# KiCad board panel.kicad_pcb (continued)
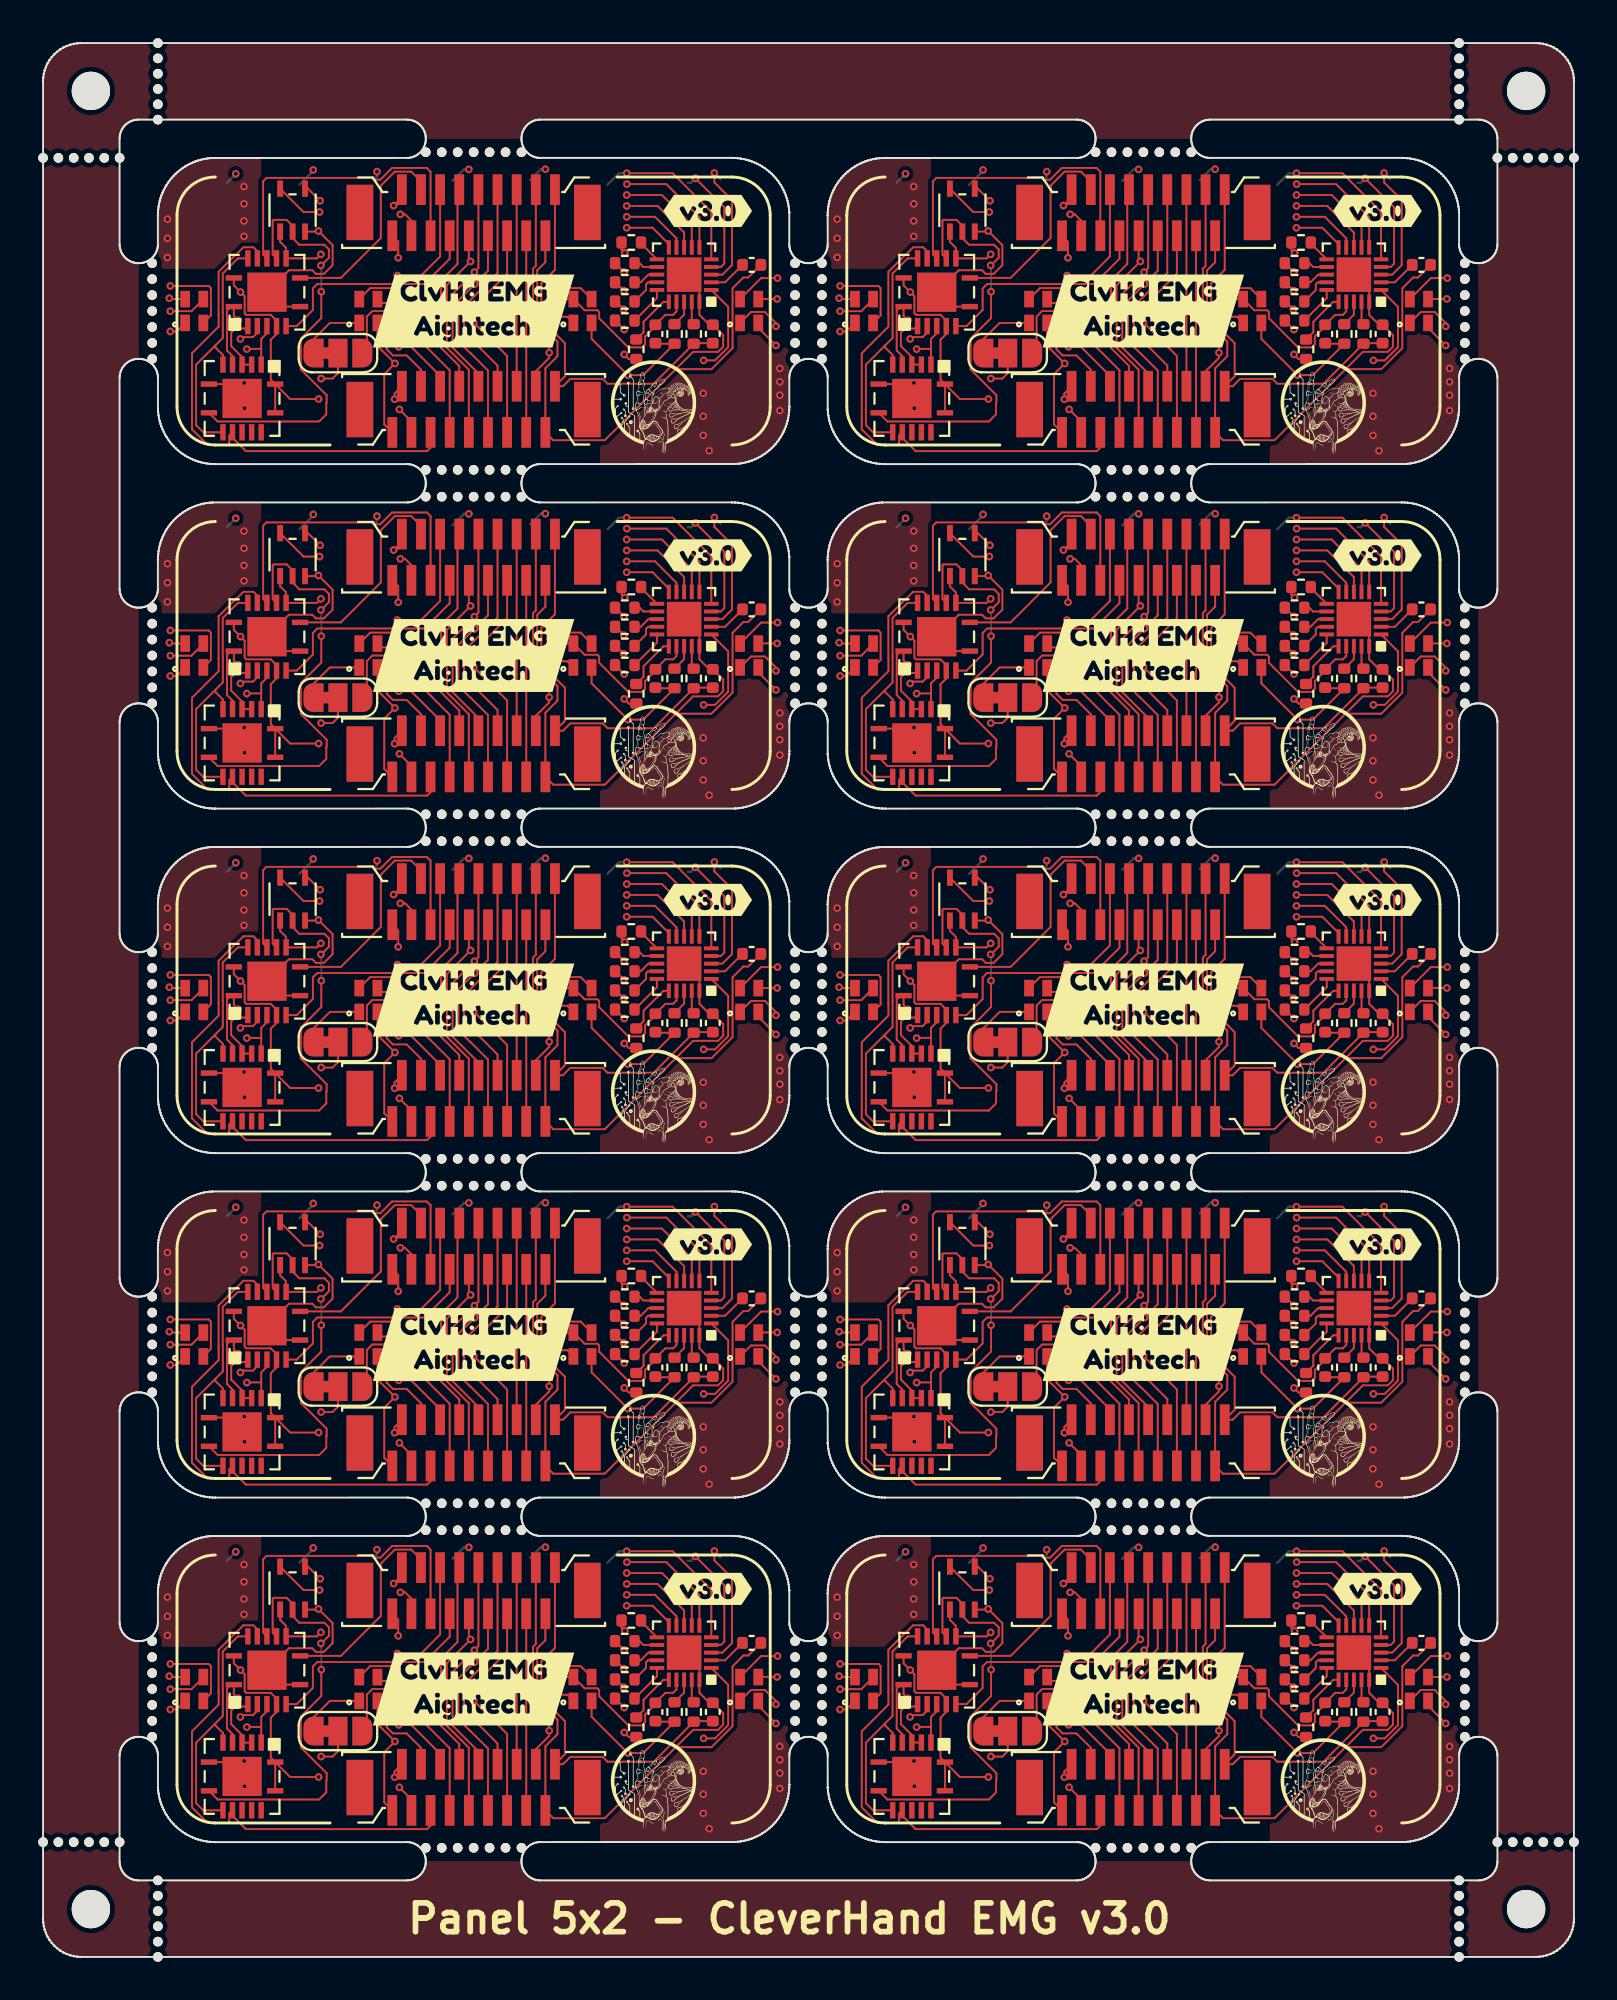
[diagram p0: board, top side]
## Routing (per net, layer and track width the routed paths; a pad name or vN(x,y) marks a point on that pad's centre or on a via; arc(x,y) is an arc through that point) (continued)
Board_0-/A2: length 26.6
  Front w0.1: J1#6.5 20.25,78.86 20.07,78.68 10.6,78.68 9.9,79.38 U4#4.10 9.73,79.49 9.73,79.05 9.68,79 8.6,79 7.78,79.82 7.78,83.79 9.18,85.19 9.18,85.85 9.17,85.85 9.17,88.05 10.09,88.97 10.11,88.97 10.47,89.33 10.99,89.33 11.2,89.12 U2.12
Board_0-/A3: length 16.2
  Front w0.1: v1(18.63,85.28) 18.25,85.28 18.21,85.24 18.21,85.24 17.96,84.99 17.96,84 18.28,83.68 19,83.68 19.75,82.93 J1#6.4 ; v1(14.52,88.96) 14.31,88.75 U2.9 12.7,89.3 12.39,89.61 12.39,90.01
  In2.Cu w0.1: v1(18.63,85.28) 18.58,85.23 15.03,85.23 14.02,86.24 14.02,88.47 14.51,88.96 v1(14.52,88.96)
Board_0-/carry0: length 3.4
  Front w0.1: U2.2 10.58,85.09 10.05,85.09 9.83,84.87 9.83,84.17 10.4,83.6 U4#4.4 U4#4.3
Board_0-/carry1: length 12.9
  Front w0.1: 9,84.2 9.39,84.59 9.39,85.94 9.39,85.94 9.39,87.96 10.18,88.75 U2.13 ; 9,84.2 9,84.1 9.4,83.7 U4#4.6 ; 9,84.2 8,83.2 8,80.03 8.37,79.66 U4#4.9
Board_0-/carry2: length 22.5
  Front w0.1: U2.10 12,88.95 12,90.71 12.05,90.76 12.73,90.76 13.04,90.45 13.04,90.01 ; U4#4.8 9.12,80.23 14.43,80.23 14.8,80.6 14.8,81.21 14.82,81.23 14.82,81.6 13.47,82.95 13.47,84.56 14.54,85.63 v1(14.54,87.01) ; v1(14.52,88.38) 14.53,88.38 14.94,88.79 14.94,89.22 14.7,89.46 13.39,89.46 13.04,89.81 U5#2.2
  Back w0.1: v1(14.54,87.01) 14.54,88.36 v1(14.52,88.38)
Board_0-/CH0: length 6.9
  Front w0.1: U1.3 35.5,87.9 36,88.4 36,91.8 35.08,92.72 v1(35.08,93.21)
  Back w0.127: v1(35.08,93.21) 35.4,92.89
Board_0-/CH1: length 6.3
  Front w0.1: v1(34.09,92.93) 35.6,91.42 35.6,88.47 35.43,88.3 U1.4
  Back w0.127: 33.7,92.7 33.86,92.7 v1(34.09,92.93)
Board_0-/CH2: length 9
  Front w0.1: U1.5 34.92,91.18 32.9,93.2 v1(30.5,93.2)
  Back w0.127: 29.5,92.6 30.1,93.2 v1(30.5,93.2)
Board_0-/CH3: length 11.7
  Front w0.1: U1.6 34.3,90.9 32.57,92.63 v1(30.51,92.63)
  In2.Cu w0.1: v1(30.51,92.63) 30.48,92.6 27.06,92.6 v1(26.25,93.41)
  Back w0.127: 25.45,92.85 26.01,93.41 v1(26.25,93.41)
Board_0-/CH4: length 15.2
  Front w0.1: v1(30.5,92.06) 32.34,92.06 33.9,90.5 U1.7
  In2.Cu w0.1: v1(30.5,92.06) 30.44,92 26.67,92 25.21,93.46 22.31,93.46 v1(22.25,93.4)
  Back w0.127: v1(22.25,93.4) 22,93.4 21.4,92.8
Board_0-/CH5: length 18.6
  Front w0.1: v1(30.5,91.49) 32.11,91.49 33.5,90.1 U1.8
  In2.Cu w0.1: v1(30.5,91.49) 30.41,91.4 26.8,91.4 25.24,92.96 17.77,92.96 v1(17.45,93.28)
  Back w0.127: 17.39,92.97 17.45,93.03 v1(17.45,93.28)
Board_0-/CH6: length 22.1
  Front w0.1: v1(30.5,90.92) 31.98,90.92 33.1,89.8 U1.9
  In2.Cu w0.1: v1(30.5,90.92) 30.38,90.8 26.6,90.8 24.66,92.74 14.75,92.74 v1(14.12,93.37)
  Back w0.127: 13.4,92.6 14.12,93.32 v1(14.12,93.37)
Board_0-/CH7: length 25.2
  Front w0.1: v1(30.5,90.35) 31.85,90.35 32.7,89.5 U1.10
  In2.Cu w0.1: v1(30.5,90.35) 30.35,90.2 26.25,90.2 23.92,92.53 14.17,92.53 13.4,93.3 10.2,93.3 v1(10.07,93.17)
  Back w0.127: v1(10.07,93.17) 9.6,92.7
Board_0-/CH_REF: length 24.4
  Front w0.1: J1#6.16 25.75,82.85 26.45,83.55 v1(26.45,83.82) 26.45,84.52 25.61,85.37 25.61,88.21 25.75,88.36 J2#7.3 ; U1.1 35.8,86.22 35.8,84.11 35.11,83.42 v1(34.52,83.42)
  In2.Cu w0.1: v1(26.45,83.82) 27.19,83.08 34.18,83.08 v1(34.52,83.42)
Board_0-/cs_adc: length 19
  Front w0.1: R6#10.2 30.23,89.2 v1(30.4,89.03) ; v1(14.48,91.76) 13.85,92.39 U5#2.4
  In2.Cu w0.1: v1(30.4,89.03) 30.05,89.38 21.15,89.38 18.6,91.93 18.15,91.93 17.82,91.6 14.64,91.6 v1(14.48,91.76)
Board_0-/IRQ: length 20.4
  Front w0.1: J2#7.6 24.25,87.95 22.5,86.2 v1(22.5,85.4) 24.25,83.65 J1#6.13 ; v1(30.37,85.03) 29.9,85.5 R2#7.2
  In2.Cu w0.1: v1(30.37,85.03) 30.2,85.2 22.7,85.2 v1(22.5,85.4)
Board_0-/MCLK: length 20.6
  Front w0.1: v1(30.37,83.73) 30.61,83.49 R1#10.2 ; J1#6.12 23.75,83.15 v1(22.5,84.4) 22,84.9 22,86.24 23.75,87.99 J2#7.7
  In2.Cu w0.1: v1(30.37,83.73) 29.7,84.4 v1(22.5,84.4)
Board_0-/NEO_IN: length 17.9
  Front w0.1: v1(18.62,80.86) 19.25,80.23 J1#6.3 ; 7.42,85.38 6.98,84.93 v1(6.65,84.93)
  In2.Cu w0.1: v1(6.65,84.93) 7.22,84.93 13.43,78.72 16.48,78.72 v1(18.62,80.86)
Board_0-/NEO_OUT: length 34.6
  Front w0.1: v1(18.67,91.05) 18.92,91.05 19.25,90.72 J2#7.16 ; JP1#7.3 16.92,84.01 16.92,85.71 17.21,86 18.03,86 18.19,85.84 v1(18.41,85.84) ; v1(38.36,86.63) 37.38,86.63 D4#4.3
  In2.Cu w0.1: v1(18.41,85.84) 17.96,86.29 17.96,87.27 18.1,87.41 19.1,87.41 19.49,87.8 19.49,90.23 v1(18.67,91.05) 20.53,89.19 28.54,89.19 29.16,88.57 30.97,88.57 32.89,86.65 38.34,86.65 v1(38.36,86.63)
Board_0-/S0: length 11.9
  Front w0.1: U2.6 13.26,85.21 14.1,86.05 14.1,87.18 14.33,87.41 19.93,87.41 21.25,88.73 J2#7.12
Board_0-/S1: length 19.1
  Front w0.1: v1(18.51,87.85) 19.75,87.85 20.75,88.85 J2#7.13 ; v1(10.31,84.54) 10.41,84.64 10.97,84.64 11.2,84.87 U2.3
  In2.Cu w0.1: v1(18.51,87.85) 16.97,89.39 14.1,89.39 11.15,86.44 11.15,85.1 10.59,84.54 v1(10.31,84.54)
Board_0-/S2: length 16.7
  Front w0.1: J2#7.14 20.25,93.28 20.05,93.47 18.24,93.47 17.62,92.86 17.28,92.86 17.18,92.95 11.67,92.95 11.5,92.78 11.5,88.95 U2.11
Board_0-/S3: length 10.9
  Front w0.1: J2#7.15 19.75,92.77 19.24,93.28 18.38,93.28 17.65,92.55 17.65,89.82 15.56,87.73 U2.8
Board_0-/SCK: length 20.2
  Front w0.1: v1(30.36,88.04) 29.9,88.5 R5#3.2 ; J2#7.10 22.25,88.68 v1(22.34,88.59) 21.1,87.35 21.1,84.08 22.25,82.93 J1#6.9
  In2.Cu w0.1: v1(22.34,88.59) 22.37,88.56 28.34,88.56 28.86,88.04 v1(30.36,88.04)
Board_0-/SDI: length 20.2
  Front w0.1: J2#7.9 22.75,88.24 v1(22.54,88.03) 21.4,86.89 21.4,84.09 22.75,82.74 J1#6.10 ; R4#9.2 29.91,87.5 v1(30.35,87.06)
  In2.Cu w0.1: v1(22.54,88.03) 28.37,88.03 29.34,87.06 v1(30.35,87.06)
Board_0-/SDO: length 20.5
  Front w0.1: J1#6.11 23.25,82.89 22.34,83.8 22.33,83.8 21.7,84.43 21.7,86.55 v1(22.56,87.41) 23.25,88.1 J2#7.8 ; v1(30.34,86.09) 29.93,86.5 R3#4.2
  In2.Cu w0.1: v1(22.56,87.41) 27.72,87.41 29.04,86.09 v1(30.34,86.09)
Board_0-GND: length 29.1
  Front w0.1: U4#4.15 10.4,82.13 v1(10.51,82.24) ; U4#4.15 9.65,82.18 U4#4.7 ; U4#4.15 10.4,81.05 v1(10.53,80.92) ; v1(38.38,87.72) 37.52,87.72 D4#4.4 ; v1(18.5,86.99) 18.3,87.19 17.1,87.19 D2#2.4 ; v1(26.5,86.3) 26.82,86.62 D3#8.4 28.3,86.04 28.97,86.04 29.06,85.95 29.06,85.62 30.58,84.1 31.3,84.1 31.46,84.26 31.46,84.67 32,85.21 C2#8.2 32.52,85.8 32.93,85.8 33.1,85.97 U1.17 ; 7.42,86.62 6.64,86.62 v1(6.6,86.67) ; J1#6.2 18.37,81.69 v1(18.37,81.39) ; U5#2.3 14.36,90.15 v1(14.39,90.18) 15.13,89.44 15.13,88.4 14.67,87.94 14.26,87.94 14.07,88.13 12.85,88.13 U2.15 12.45,86.23 13.11,86.23 ; v1(18.32,91.51) 18.75,91.94 J2#7.17
  vias: v1(6.5,90.8) v1(6.5,89.8) v1(6.5,88.8) v1(10.5,92.5) v1(10.5,91.6) v1(10.5,90.7) v1(10.5,89.9) v1(34.5,81.7) v1(34.5,80.5) v1(34.5,79.5) v1(34.81,78.7) v1(38.5,83) v1(38.5,82.3) v1(38.5,81.6) v1(38.5,80.8)
Board_0-GNDA: length 35.9
  Front w0.1: J2#7.2 26.25,88.55 25.82,88.12 25.82,85.46 26.88,84.4 26.88,83.64 26.25,83.01 J1#6.17 26.66,79.25 29.35,79.25 33.97,83.87 35.27,83.87 35.54,84.13 35.54,84.74 C1#9.1 34.82,85.28 34.3,85.8 U1.20 34.3,87.1 U1.21 ; 33.08,82.96 34.93,82.96 36.03,84.06 36.03,87.19 36.6,87.75 36.85,87.75 C3#2.2
Board_0-Net-(D1-Pad3): length 13.4
  Front w0.1: v1(6.65,85.99) 7.76,85.99 8.38,86.61 D1#10.3 ; JP1#7.2 15.41,82.75 15.13,82.47 v1(14.53,82.47)
  In2.Cu w0.1: v1(6.65,85.99) 9.98,82.66 14.34,82.66 v1(14.53,82.47)
Board_0-Net-(D2-Pad1): length 3.5
  Front w0.1: JP1#7.1 14.11,84.5 14.99,85.38 D2#2.1
Board_0-Net-(D2-Pad3): length 10.8
  Front w0.1: v1(26.5,85.7) 27.39,85.7 D3#8.1 ; v1(18.61,86.42) 17.68,86.42 D2#2.3
  In2.Cu w0.1: v1(26.5,85.7) 26.2,86 19.03,86 v1(18.61,86.42)
Board_0-Net-(D3-Pad3): length 18.2
  Front w0.1: D4#4.1 37,85.95 37.72,85.95 38.3,85.37 v1(38.3,85.2) ; 28.66,86.62 28.09,87.19 26.79,87.19 v1(26.5,86.9)
  In2.Cu w0.1: v1(26.5,86.9) 27.88,85.52 31.14,85.52 31.98,86.36 37.14,86.36 v1(38.3,85.2)
Board_0-Net-(J1-Pad8): length 11.1
  Front w0.1: J1#6.8 21.75,83.12 20.8,84.07 20.8,87.6 21.66,88.46 21.66,92.25 J2#7.11
Board_0-Net-(J1-Pad14): length 10.3
  Front w0.1: J1#6.14 J2#7.5
Board_0-Net-(J1-Pad15): length 10.3
  Front w0.1: J1#6.15 J2#7.4
Board_0-Net-(R1-Pad1): length 2.8
  Front w0.1: R1#10.1 31.38,84.89 31.38,85.44 32.42,86.48 U1.16
Board_0-Net-(R2-Pad1): length 2.1
  Front w0.1: R2#7.1 32.08,86.67 U1.15
Board_0-Net-(R3-Pad1): length 1.8
  Front w0.1: U1.14 31.62,87.5 31.51,87.39 31.51,87.1 R3#4.1
Board_0-Net-(R4-Pad1): length 1.3
  Front w0.1: R4#9.1 31.23,87.5 31.63,87.9 U1.13
Board_0-Net-(R5-Pad1): length 1.3
  Front w0.1: U1.12 31.37,88.3 31.17,88.5 R5#3.1
Board_0-Net-(R6-Pad1): length 1.2
  Front w0.1: U1.11 31.25,89.53 R6#10.1
Board_0-Net-(R7-Pad1): length 1.2
  Front w0.1: R7#4.1 33.9,85.41 U1.19
Board_0-Net-(R8-Pad1): length 1.4
  Front w0.1: U1.18 33.5,85.81 R8#8.1
Board_0-Net-(U1-Pad2): length 2
  Front w0.1: U1.2 35.64,87.5 C3#2.1
Board_1-+3.3V: length 77.7
  Front w0.1: v1(49.45,91.17) 48.61,91.17 U5#4.5 ; U4#9.1 U4#9.14 ; U4#9.1 47.91,81.4 v1(49.4,81.4) ; U4#9.1 46.9,82.41 46.9,84.5 47.2,84.8 47.2,85.5 46.9,85.8 45.62,85.8 45.53,85.88 45.53,86.78 v1(45.32,86.99) 44.97,87.34 U2#8.14 ; D2#6.2 52.48,84.17 v1(53.39,83.26) 52.83,82.7 52.83,80.08 J1#5.1 ; J2#3.18 53.56,89.62 v1(53.56,88.78) ; v1(73.3,84.2) 72.35,85.15 72.35,85.35 ; C2.1 67.03,84.29 R8#10.2 66.36,82.65 v1(65.56,82.65) 63.66,84.55 D3#7.2 ; D1#3.2 43.77,85.77 43.77,87.19 43.66,87.31 v1(41.65,87.31)
  In2.Cu w0.1: v1(49.4,81.4) 51.53,81.4 v1(53.39,83.26) 53.39,82.09 54.36,81.12 64.3,81.12 65.56,82.38 v1(65.56,82.65) 65.58,82.63 71.73,82.63 v1(73.3,84.2) ; v1(41.65,87.31) 45,87.31 v1(45.32,86.99) 45.32,87.04 v1(49.45,91.17) 51.17,91.17 v1(53.56,88.78)
Board_1-+3.3VA: length 20.7
  Front w0.1: C1#4.2 69.03,84.32 R7.2 66.91,82.2 64.5,82.2 64.25,82.45 62.55,82.45 62.17,82.07 J1#5.18 62.27,82.59 62.27,84.32 61.04,85.55 61.04,87.44 61.75,88.15 J2#3.1
Board_1-/A0: length 17.8
  Front w0.1: J1#5.7 56.25,82.9 54.45,84.7 v1(53.43,84.7) ; 46.4,84.02 45.66,84.02 v1(45.65,84.01) ; 46.4,84.02 46.4,84.54 46.7,84.84 U2#8.4 ; 46.4,84.02 U4#9.2
  In2.Cu w0.1: v1(53.43,84.7) 51.45,84.7 50.85,84.1 45.74,84.1 v1(45.65,84.01)
Board_1-/A1: length 18.5
  Front w0.1: v1(53.59,84.13) 54.24,84.13 55.75,82.62 J1#5.6 ; v1(45.2,85.51) 44.97,85.74 U2#8.1 44.82,86.23 44.61,86.02 44.61,83.94 44.9,83.65 U4#9.5
  In2.Cu w0.1: v1(53.59,84.13) 52.04,84.13 51.31,83.4 45.39,83.4 44.88,83.91 44.88,85.19 v1(45.2,85.51)
Board_1-/A2: length 26.6
  Front w0.1: J1#5.5 55.25,78.86 55.07,78.68 45.6,78.68 44.9,79.38 U4#9.10 44.73,79.49 44.73,79.05 44.68,79 43.6,79 42.78,79.82 42.78,83.79 44.18,85.19 44.18,85.85 44.17,85.85 44.17,88.05 45.09,88.97 45.11,88.97 45.47,89.33 45.99,89.33 46.2,89.12 U2#8.12
Board_1-/A3: length 16.2
  Front w0.1: v1(53.63,85.28) 53.25,85.28 53.21,85.24 53.21,85.24 52.96,84.99 52.96,84 53.28,83.68 54,83.68 54.75,82.93 J1#5.4 ; v1(49.52,88.96) 49.31,88.75 U2#8.9 47.7,89.3 47.39,89.61 47.39,90.01
  In2.Cu w0.1: v1(53.63,85.28) 53.58,85.23 50.03,85.23 49.02,86.24 49.02,88.47 49.51,88.96 v1(49.52,88.96)
Board_1-/carry0: length 3.4
  Front w0.1: U2#8.2 45.58,85.09 45.05,85.09 44.83,84.87 44.83,84.17 45.4,83.6 U4#9.4 U4#9.3
Board_1-/carry1: length 12.9
  Front w0.1: 44,84.2 44.39,84.59 44.39,85.94 44.39,85.94 44.39,87.96 45.18,88.75 U2#8.13 ; 44,84.2 44,84.1 44.4,83.7 U4#9.6 ; 44,84.2 43,83.2 43,80.03 43.37,79.66 U4#9.9
Board_1-/carry2: length 22.5
  Front w0.1: U2#8.10 47,88.95 47,90.71 47.05,90.76 47.73,90.76 48.04,90.45 48.04,90.01 ; U4#9.8 44.12,80.23 49.43,80.23 49.8,80.6 49.8,81.21 49.82,81.23 49.82,81.6 48.47,82.95 48.47,84.56 49.54,85.63 v1(49.54,87.01) ; v1(49.52,88.38) 49.53,88.38 49.94,88.79 49.94,89.22 49.7,89.46 48.39,89.46 48.04,89.81 U5#4.2
  Back w0.1: v1(49.54,87.01) 49.54,88.36 v1(49.52,88.38)
Board_1-/CH0: length 6.9
  Front w0.1: U1#10.3 70.5,87.9 71,88.4 71,91.8 70.08,92.72 v1(70.08,93.21)
  Back w0.127: v1(70.08,93.21) 70.4,92.89
Board_1-/CH1: length 6.3
  Front w0.1: v1(69.09,92.93) 70.6,91.42 70.6,88.47 70.43,88.3 U1#10.4
  Back w0.127: 68.7,92.7 68.86,92.7 v1(69.09,92.93)
Board_1-/CH2: length 9
  Front w0.1: U1#10.5 69.92,91.18 67.9,93.2 v1(65.5,93.2)
  Back w0.127: 64.5,92.6 65.1,93.2 v1(65.5,93.2)
Board_1-/CH3: length 11.7
  Front w0.1: U1#10.6 69.3,90.9 67.57,92.63 v1(65.51,92.63)
  In2.Cu w0.1: v1(65.51,92.63) 65.48,92.6 62.06,92.6 v1(61.25,93.41)
  Back w0.127: 60.45,92.85 61.01,93.41 v1(61.25,93.41)
Board_1-/CH4: length 15.2
  Front w0.1: v1(65.5,92.06) 67.34,92.06 68.9,90.5 U1#10.7
  In2.Cu w0.1: v1(65.5,92.06) 65.44,92 61.67,92 60.21,93.46 57.31,93.46 v1(57.25,93.4)
  Back w0.127: v1(57.25,93.4) 57,93.4 56.4,92.8
Board_1-/CH5: length 18.6
  Front w0.1: v1(65.5,91.49) 67.11,91.49 68.5,90.1 U1#10.8
  In2.Cu w0.1: v1(65.5,91.49) 65.41,91.4 61.8,91.4 60.24,92.96 52.77,92.96 v1(52.45,93.28)
  Back w0.127: 52.39,92.97 52.45,93.03 v1(52.45,93.28)
Board_1-/CH6: length 22.1
  Front w0.1: v1(65.5,90.92) 66.98,90.92 68.1,89.8 U1#10.9
  In2.Cu w0.1: v1(65.5,90.92) 65.38,90.8 61.6,90.8 59.66,92.74 49.75,92.74 v1(49.12,93.37)
  Back w0.127: 48.4,92.6 49.12,93.32 v1(49.12,93.37)
Board_1-/CH7: length 25.2
  Front w0.1: v1(65.5,90.35) 66.85,90.35 67.7,89.5 U1#10.10
  In2.Cu w0.1: v1(65.5,90.35) 65.35,90.2 61.25,90.2 58.92,92.53 49.17,92.53 48.4,93.3 45.2,93.3 v1(45.07,93.17)
  Back w0.127: v1(45.07,93.17) 44.6,92.7
Board_1-/CH_REF: length 24.4
  Front w0.1: J1#5.16 60.75,82.85 61.45,83.55 v1(61.45,83.82) 61.45,84.52 60.61,85.37 60.61,88.21 60.75,88.36 J2#3.3 ; U1#10.1 70.8,86.22 70.8,84.11 70.11,83.42 v1(69.52,83.42)
  In2.Cu w0.1: v1(61.45,83.82) 62.19,83.08 69.18,83.08 v1(69.52,83.42)
Board_1-/cs_adc: length 19
  Front w0.1: R6.2 65.23,89.2 v1(65.4,89.03) ; v1(49.48,91.76) 48.85,92.39 U5#4.4
  In2.Cu w0.1: v1(65.4,89.03) 65.05,89.38 56.15,89.38 53.6,91.93 53.15,91.93 52.82,91.6 49.64,91.6 v1(49.48,91.76)
Board_1-/IRQ: length 20.4
  Front w0.1: J2#3.6 59.25,87.95 57.5,86.2 v1(57.5,85.4) 59.25,83.65 J1#5.13 ; v1(65.37,85.03) 64.9,85.5 R2.2
  In2.Cu w0.1: v1(65.37,85.03) 65.2,85.2 57.7,85.2 v1(57.5,85.4)
Board_1-/MCLK: length 20.6
  Front w0.1: v1(65.37,83.73) 65.61,83.49 R1#5.2 ; J1#5.12 58.75,83.15 v1(57.5,84.4) 57,84.9 57,86.24 58.75,87.99 J2#3.7
  In2.Cu w0.1: v1(65.37,83.73) 64.7,84.4 v1(57.5,84.4)
Board_1-/NEO_IN: length 17.9
  Front w0.1: v1(53.62,80.86) 54.25,80.23 J1#5.3 ; D1#3.1 41.98,84.93 v1(41.65,84.93)
  In2.Cu w0.1: v1(41.65,84.93) 42.22,84.93 48.43,78.72 51.48,78.72 v1(53.62,80.86)
Board_1-/NEO_OUT: length 34.6
  Front w0.1: v1(53.67,91.05) 53.92,91.05 54.25,90.72 J2#3.16 ; JP1#10.3 51.92,84.01 51.92,85.71 52.21,86 53.03,86 53.19,85.84 v1(53.41,85.84) ; v1(73.36,86.63) 72.38,86.63 D4.3
  In2.Cu w0.1: v1(53.41,85.84) 52.96,86.29 52.96,87.27 53.1,87.41 54.1,87.41 54.49,87.8 54.49,90.23 v1(53.67,91.05) 55.53,89.19 63.54,89.19 64.16,88.57 65.97,88.57 67.89,86.65 73.34,86.65 v1(73.36,86.63)
Board_1-/S0: length 11.9
  Front w0.1: U2#8.6 48.26,85.21 49.1,86.05 49.1,87.18 49.33,87.41 54.93,87.41 56.25,88.73 J2#3.12
Board_1-/S1: length 19.1
  Front w0.1: v1(53.51,87.85) 54.75,87.85 55.75,88.85 J2#3.13 ; v1(45.31,84.54) 45.41,84.64 45.97,84.64 46.2,84.87 U2#8.3
  In2.Cu w0.1: v1(53.51,87.85) 51.97,89.39 49.1,89.39 46.15,86.44 46.15,85.1 45.59,84.54 v1(45.31,84.54)
Board_1-/S2: length 16.7
  Front w0.1: J2#3.14 55.25,93.28 55.05,93.47 53.24,93.47 52.62,92.86 52.28,92.86 52.18,92.95 46.67,92.95 46.5,92.78 46.5,88.95 U2#8.11
Board_1-/S3: length 10.9
  Front w0.1: J2#3.15 54.75,92.77 54.24,93.28 53.38,93.28 52.65,92.55 52.65,89.82 50.56,87.73 U2#8.8
Board_1-/SCK: length 20.2
  Front w0.1: v1(65.36,88.04) 64.9,88.5 R5#10.2 ; J2#3.10 57.25,88.68 v1(57.34,88.59) 56.1,87.35 56.1,84.08 57.25,82.93 J1#5.9
  In2.Cu w0.1: v1(57.34,88.59) 57.37,88.56 63.34,88.56 63.86,88.04 v1(65.36,88.04)
Board_1-/SDI: length 20.2
  Front w0.1: J2#3.9 57.75,88.24 v1(57.54,88.03) 56.4,86.89 56.4,84.09 57.75,82.74 J1#5.10 ; R4#8.2 64.91,87.5 v1(65.35,87.06)
  In2.Cu w0.1: v1(57.54,88.03) 63.37,88.03 64.34,87.06 v1(65.35,87.06)
Board_1-/SDO: length 20.5
  Front w0.1: J1#5.11 58.25,82.89 57.34,83.8 57.33,83.8 56.7,84.43 56.7,86.55 v1(57.56,87.41) 58.25,88.1 J2#3.8 ; v1(65.34,86.09) 64.93,86.5 R3#3.2
  In2.Cu w0.1: v1(57.56,87.41) 62.72,87.41 64.04,86.09 v1(65.34,86.09)
Board_1-GND: length 29.1
  Front w0.1: U4#9.15 45.4,82.13 v1(45.51,82.24) ; U4#9.15 44.65,82.18 U4#9.7 ; U4#9.15 45.4,81.05 v1(45.53,80.92) ; v1(73.38,87.72) 72.52,87.72 71.42,86.62 ; v1(53.5,86.99) 53.3,87.19 52.1,87.19 D2#6.4 ; v1(61.5,86.3) 61.82,86.62 62.72,86.62 63.3,86.04 63.97,86.04 64.06,85.95 64.06,85.62 65.58,84.1 66.3,84.1 66.46,84.26 66.46,84.67 67,85.21 C2.2 67.52,85.8 67.93,85.8 68.1,85.97 U1#10.17 ; D1#3.4 41.64,86.62 v1(41.6,86.67) ; J1#5.2 53.37,81.69 v1(53.37,81.39) ; U5#4.3 49.36,90.15 v1(49.39,90.18) 50.13,89.44 50.13,88.4 49.67,87.94 49.26,87.94 49.07,88.13 47.85,88.13 U2#8.15 47.45,86.23 48.11,86.23 ; v1(53.32,91.51) 53.75,91.94 J2#3.17
  vias: v1(41.5,90.8) v1(41.5,89.8) v1(41.5,88.8) v1(45.5,92.5) v1(45.5,91.6) v1(45.5,90.7) v1(45.5,89.9) v1(69.5,81.7) v1(69.5,80.5) v1(69.5,79.5) v1(69.81,78.7) v1(73.5,83) v1(73.5,82.3) v1(73.5,81.6) v1(73.5,80.8)
Board_1-GNDA: length 35.9
  Front w0.1: J2#3.2 61.25,88.55 60.82,88.12 60.82,85.46 61.88,84.4 61.88,83.64 61.25,83.01 J1#5.17 61.66,79.25 64.35,79.25 68.97,83.87 70.27,83.87 70.54,84.13 70.54,84.74 C1#4.1 69.82,85.28 69.3,85.8 U1#10.20 69.3,87.1 U1#10.21 ; 68.08,82.96 69.93,82.96 71.03,84.06 71.03,87.19 71.6,87.75 71.85,87.75 C3#4.2
Board_1-Net-(D1-Pad3): length 13.4
  Front w0.1: v1(41.65,85.99) 42.76,85.99 43.38,86.61 D1#3.3 ; JP1#10.2 50.41,82.75 50.13,82.47 v1(49.53,82.47)
  In2.Cu w0.1: v1(41.65,85.99) 44.98,82.66 49.34,82.66 v1(49.53,82.47)
Board_1-Net-(D2-Pad1): length 3.5
  Front w0.1: JP1#10.1 49.11,84.5 49.99,85.38 D2#6.1
Board_1-Net-(D2-Pad3): length 10.8
  Front w0.1: v1(61.5,85.7) 62.39,85.7 62.72,85.38 ; v1(53.61,86.42) 52.68,86.42 D2#6.3
  In2.Cu w0.1: v1(61.5,85.7) 61.2,86 54.03,86 v1(53.61,86.42)
Board_1-Net-(D3-Pad3): length 18.2
  Front w0.1: 71.42,85.38 72,85.95 72.72,85.95 73.3,85.37 v1(73.3,85.2) ; D3#7.3 63.09,87.19 61.79,87.19 v1(61.5,86.9)
  In2.Cu w0.1: v1(61.5,86.9) 62.88,85.52 66.14,85.52 66.98,86.36 72.14,86.36 v1(73.3,85.2)
Board_1-Net-(J1-Pad8): length 11.1
  Front w0.1: J1#5.8 56.75,83.12 55.8,84.07 55.8,87.6 56.66,88.46 56.66,92.25 J2#3.11
Board_1-Net-(J1-Pad14): length 10.3
  Front w0.1: J1#5.14 J2#3.5
Board_1-Net-(J1-Pad15): length 10.3
  Front w0.1: J1#5.15 J2#3.4
Board_1-Net-(R1-Pad1): length 2.8
  Front w0.1: R1#5.1 66.38,84.89 66.38,85.44 67.42,86.48 U1#10.16
Board_1-Net-(R2-Pad1): length 2.1
  Front w0.1: R2.1 67.08,86.67 U1#10.15
Board_1-Net-(R3-Pad1): length 1.8
  Front w0.1: U1#10.14 66.62,87.5 66.51,87.39 66.51,87.1 R3#3.1
Board_1-Net-(R4-Pad1): length 1.3
  Front w0.1: R4#8.1 66.23,87.5 66.63,87.9 U1#10.13
Board_1-Net-(R5-Pad1): length 1.3
  Front w0.1: U1#10.12 66.37,88.3 66.17,88.5 R5#10.1
Board_1-Net-(R6-Pad1): length 1.2
  Front w0.1: U1#10.11 66.25,89.53 R6.1
Board_1-Net-(R7-Pad1): length 1.2
  Front w0.1: R7.1 68.9,85.41 U1#10.19
Board_1-Net-(R8-Pad1): length 1.4
  Front w0.1: U1#10.18 68.5,85.81 R8#10.1
Board_1-Net-(U1-Pad2): length 2
  Front w0.1: U1#10.2 70.64,87.5 C3#4.1
Board_2-+3.3V: length 77.7
  Front w0.1: v1(14.45,73.17) 13.61,73.17 U5#6.5 ; U4#7.1 U4#7.14 ; U4#7.1 12.91,63.4 v1(14.4,63.4) ; U4#7.1 11.9,64.41 11.9,66.5 12.2,66.8 12.2,67.5 11.9,67.8 10.62,67.8 10.53,67.88 10.53,68.78 v1(10.32,68.99) 9.97,69.34 U2#4.14 ; D2.2 17.48,66.17 v1(18.39,65.26) 17.83,64.7 17.83,62.08 J1#9.1 ; J2#6.18 18.56,71.62 v1(18.56,70.78) ; v1(38.3,66.2) 37.35,67.15 37.35,67.35 ; C2#9.1 32.03,66.29 R8#5.2 31.36,64.65 v1(30.56,64.65) 28.66,66.55 28.66,67.38 ; D1#2.2 8.77,67.77 8.77,69.19 8.66,69.31 v1(6.65,69.31)
  In2.Cu w0.1: v1(14.4,63.4) 16.53,63.4 v1(18.39,65.26) 18.39,64.09 19.36,63.12 29.3,63.12 30.56,64.38 v1(30.56,64.65) 30.58,64.63 36.73,64.63 v1(38.3,66.2) ; v1(6.65,69.31) 10,69.31 v1(10.32,68.99) 10.32,69.04 v1(14.45,73.17) 16.17,73.17 v1(18.56,70.78)
Board_2-+3.3VA: length 20.7
  Front w0.1: C1#5.2 34.03,66.32 R7#2.2 31.91,64.2 29.5,64.2 29.25,64.45 27.55,64.45 27.17,64.07 J1#9.18 27.27,64.59 27.27,66.32 26.04,67.55 26.04,69.44 26.75,70.15 J2#6.1
Board_2-/A0: length 17.8
  Front w0.1: J1#9.7 21.25,64.9 19.45,66.7 v1(18.43,66.7) ; 11.4,66.02 10.66,66.02 v1(10.65,66.01) ; 11.4,66.02 11.4,66.54 11.7,66.84 U2#4.4 ; 11.4,66.02 U4#7.2
  In2.Cu w0.1: v1(18.43,66.7) 16.45,66.7 15.85,66.1 10.74,66.1 v1(10.65,66.01)
Board_2-/A1: length 18.5
  Front w0.1: v1(18.59,66.13) 19.24,66.13 20.75,64.62 J1#9.6 ; v1(10.2,67.51) 9.97,67.74 U2#4.1 9.82,68.23 9.61,68.02 9.61,65.94 9.9,65.65 U4#7.5
  In2.Cu w0.1: v1(18.59,66.13) 17.04,66.13 16.31,65.4 10.39,65.4 9.88,65.91 9.88,67.19 v1(10.2,67.51)
Board_2-/A2: length 26.6
  Front w0.1: J1#9.5 20.25,60.86 20.07,60.68 10.6,60.68 9.9,61.38 U4#7.10 9.73,61.49 9.73,61.05 9.68,61 8.6,61 7.78,61.82 7.78,65.79 9.18,67.19 9.18,67.85 9.17,67.85 9.17,70.05 10.09,70.97 10.11,70.97 10.47,71.33 10.99,71.33 11.2,71.12 U2#4.12
Board_2-/A3: length 16.2
  Front w0.1: v1(18.63,67.28) 18.25,67.28 18.21,67.24 18.21,67.24 17.96,66.99 17.96,66 18.28,65.68 19,65.68 19.75,64.93 J1#9.4 ; v1(14.52,70.96) 14.31,70.75 U2#4.9 12.7,71.3 12.39,71.61 12.39,72.01
  In2.Cu w0.1: v1(18.63,67.28) 18.58,67.23 15.03,67.23 14.02,68.24 14.02,70.47 14.51,70.96 v1(14.52,70.96)
Board_2-/carry0: length 3.4
  Front w0.1: U2#4.2 10.58,67.09 10.05,67.09 9.83,66.87 9.83,66.17 10.4,65.6 U4#7.4 U4#7.3
Board_2-/carry1: length 12.9
  Front w0.1: 9,66.2 9.39,66.59 9.39,67.94 9.39,67.94 9.39,69.96 10.18,70.75 U2#4.13 ; 9,66.2 9,66.1 9.4,65.7 U4#7.6 ; 9,66.2 8,65.2 8,62.03 8.37,61.66 U4#7.9
Board_2-/carry2: length 22.5
  Front w0.1: U2#4.10 12,70.95 12,72.71 12.05,72.76 12.73,72.76 13.04,72.45 13.04,72.01 ; U4#7.8 9.12,62.23 14.43,62.23 14.8,62.6 14.8,63.21 14.82,63.23 14.82,63.6 13.47,64.95 13.47,66.56 14.54,67.63 v1(14.54,69.01) ; v1(14.52,70.38) 14.53,70.38 14.94,70.79 14.94,71.22 14.7,71.46 13.39,71.46 13.04,71.81 U5#6.2
  Back w0.1: v1(14.54,69.01) 14.54,70.36 v1(14.52,70.38)
Board_2-/CH0: length 6.9
  Front w0.1: U1#9.3 35.5,69.9 36,70.4 36,73.8 35.08,74.72 v1(35.08,75.21)
  Back w0.127: v1(35.08,75.21) 35.4,74.89
Board_2-/CH1: length 6.3
  Front w0.1: v1(34.09,74.93) 35.6,73.42 35.6,70.47 35.43,70.3 U1#9.4
  Back w0.127: 33.7,74.7 33.86,74.7 v1(34.09,74.93)
Board_2-/CH2: length 9
  Front w0.1: U1#9.5 34.92,73.18 32.9,75.2 v1(30.5,75.2)
  Back w0.127: 29.5,74.6 30.1,75.2 v1(30.5,75.2)
Board_2-/CH3: length 11.7
  Front w0.1: U1#9.6 34.3,72.9 32.57,74.63 v1(30.51,74.63)
  In2.Cu w0.1: v1(30.51,74.63) 30.48,74.6 27.06,74.6 v1(26.25,75.41)
  Back w0.127: 25.45,74.85 26.01,75.41 v1(26.25,75.41)
Board_2-/CH4: length 15.2
  Front w0.1: v1(30.5,74.06) 32.34,74.06 33.9,72.5 U1#9.7
  In2.Cu w0.1: v1(30.5,74.06) 30.44,74 26.67,74 25.21,75.46 22.31,75.46 v1(22.25,75.4)
  Back w0.127: v1(22.25,75.4) 22,75.4 21.4,74.8
Board_2-/CH5: length 18.6
  Front w0.1: v1(30.5,73.49) 32.11,73.49 33.5,72.1 U1#9.8
  In2.Cu w0.1: v1(30.5,73.49) 30.41,73.4 26.8,73.4 25.24,74.96 17.77,74.96 v1(17.45,75.28)
  Back w0.127: 17.39,74.97 17.45,75.03 v1(17.45,75.28)
Board_2-/CH6: length 22.1
  Front w0.1: v1(30.5,72.92) 31.98,72.92 33.1,71.8 U1#9.9
  In2.Cu w0.1: v1(30.5,72.92) 30.38,72.8 26.6,72.8 24.66,74.74 14.75,74.74 v1(14.12,75.37)
  Back w0.127: 13.4,74.6 14.12,75.32 v1(14.12,75.37)
Board_2-/CH7: length 25.2
  Front w0.1: v1(30.5,72.35) 31.85,72.35 32.7,71.5 U1#9.10
  In2.Cu w0.1: v1(30.5,72.35) 30.35,72.2 26.25,72.2 23.92,74.53 14.17,74.53 13.4,75.3 10.2,75.3 v1(10.07,75.17)
  Back w0.127: v1(10.07,75.17) 9.6,74.7
Board_2-/CH_REF: length 24.4
  Front w0.1: J1#9.16 25.75,64.85 26.45,65.55 v1(26.45,65.82) 26.45,66.52 25.61,67.37 25.61,70.21 25.75,70.36 J2#6.3 ; U1#9.1 35.8,68.22 35.8,66.11 35.11,65.42 v1(34.52,65.42)
  In2.Cu w0.1: v1(26.45,65.82) 27.19,65.08 34.18,65.08 v1(34.52,65.42)
Board_2-/cs_adc: length 19
  Front w0.1: R6#5.2 30.23,71.2 v1(30.4,71.03) ; v1(14.48,73.76) 13.85,74.39 U5#6.4
  In2.Cu w0.1: v1(30.4,71.03) 30.05,71.38 21.15,71.38 18.6,73.93 18.15,73.93 17.82,73.6 14.64,73.6 v1(14.48,73.76)
Board_2-/IRQ: length 20.4
  Front w0.1: J2#6.6 24.25,69.95 22.5,68.2 v1(22.5,67.4) 24.25,65.65 J1#9.13 ; v1(30.37,67.03) 29.9,67.5 R2#5.2
  In2.Cu w0.1: v1(30.37,67.03) 30.2,67.2 22.7,67.2 v1(22.5,67.4)
Board_2-/MCLK: length 20.6
  Front w0.1: v1(30.37,65.73) 30.61,65.49 R1#9.2 ; J1#9.12 23.75,65.15 v1(22.5,66.4) 22,66.9 22,68.24 23.75,69.99 J2#6.7
  In2.Cu w0.1: v1(30.37,65.73) 29.7,66.4 v1(22.5,66.4)
Board_2-/NEO_IN: length 17.9
  Front w0.1: v1(18.62,62.86) 19.25,62.23 J1#9.3 ; 7.42,67.38 6.98,66.93 v1(6.65,66.93)
  In2.Cu w0.1: v1(6.65,66.93) 7.22,66.93 13.43,60.72 16.48,60.72 v1(18.62,62.86)
Board_2-/NEO_OUT: length 34.6
  Front w0.1: v1(18.67,73.05) 18.92,73.05 19.25,72.72 J2#6.16 ; JP1#5.3 16.92,66.01 16.92,67.71 17.21,68 18.03,68 18.19,67.84 v1(18.41,67.84) ; v1(38.36,68.63) 37.38,68.63 D4#8.3
  In2.Cu w0.1: v1(18.41,67.84) 17.96,68.29 17.96,69.27 18.1,69.41 19.1,69.41 19.49,69.8 19.49,72.23 v1(18.67,73.05) 20.53,71.19 28.54,71.19 29.16,70.57 30.97,70.57 32.89,68.65 38.34,68.65 v1(38.36,68.63)
Board_2-/S0: length 11.9
  Front w0.1: U2#4.6 13.26,67.21 14.1,68.05 14.1,69.18 14.33,69.41 19.93,69.41 21.25,70.73 J2#6.12
Board_2-/S1: length 19.1
  Front w0.1: v1(18.51,69.85) 19.75,69.85 20.75,70.85 J2#6.13 ; v1(10.31,66.54) 10.41,66.64 10.97,66.64 11.2,66.87 U2#4.3